# KiCad board usbc-car-module.kicad_pcb
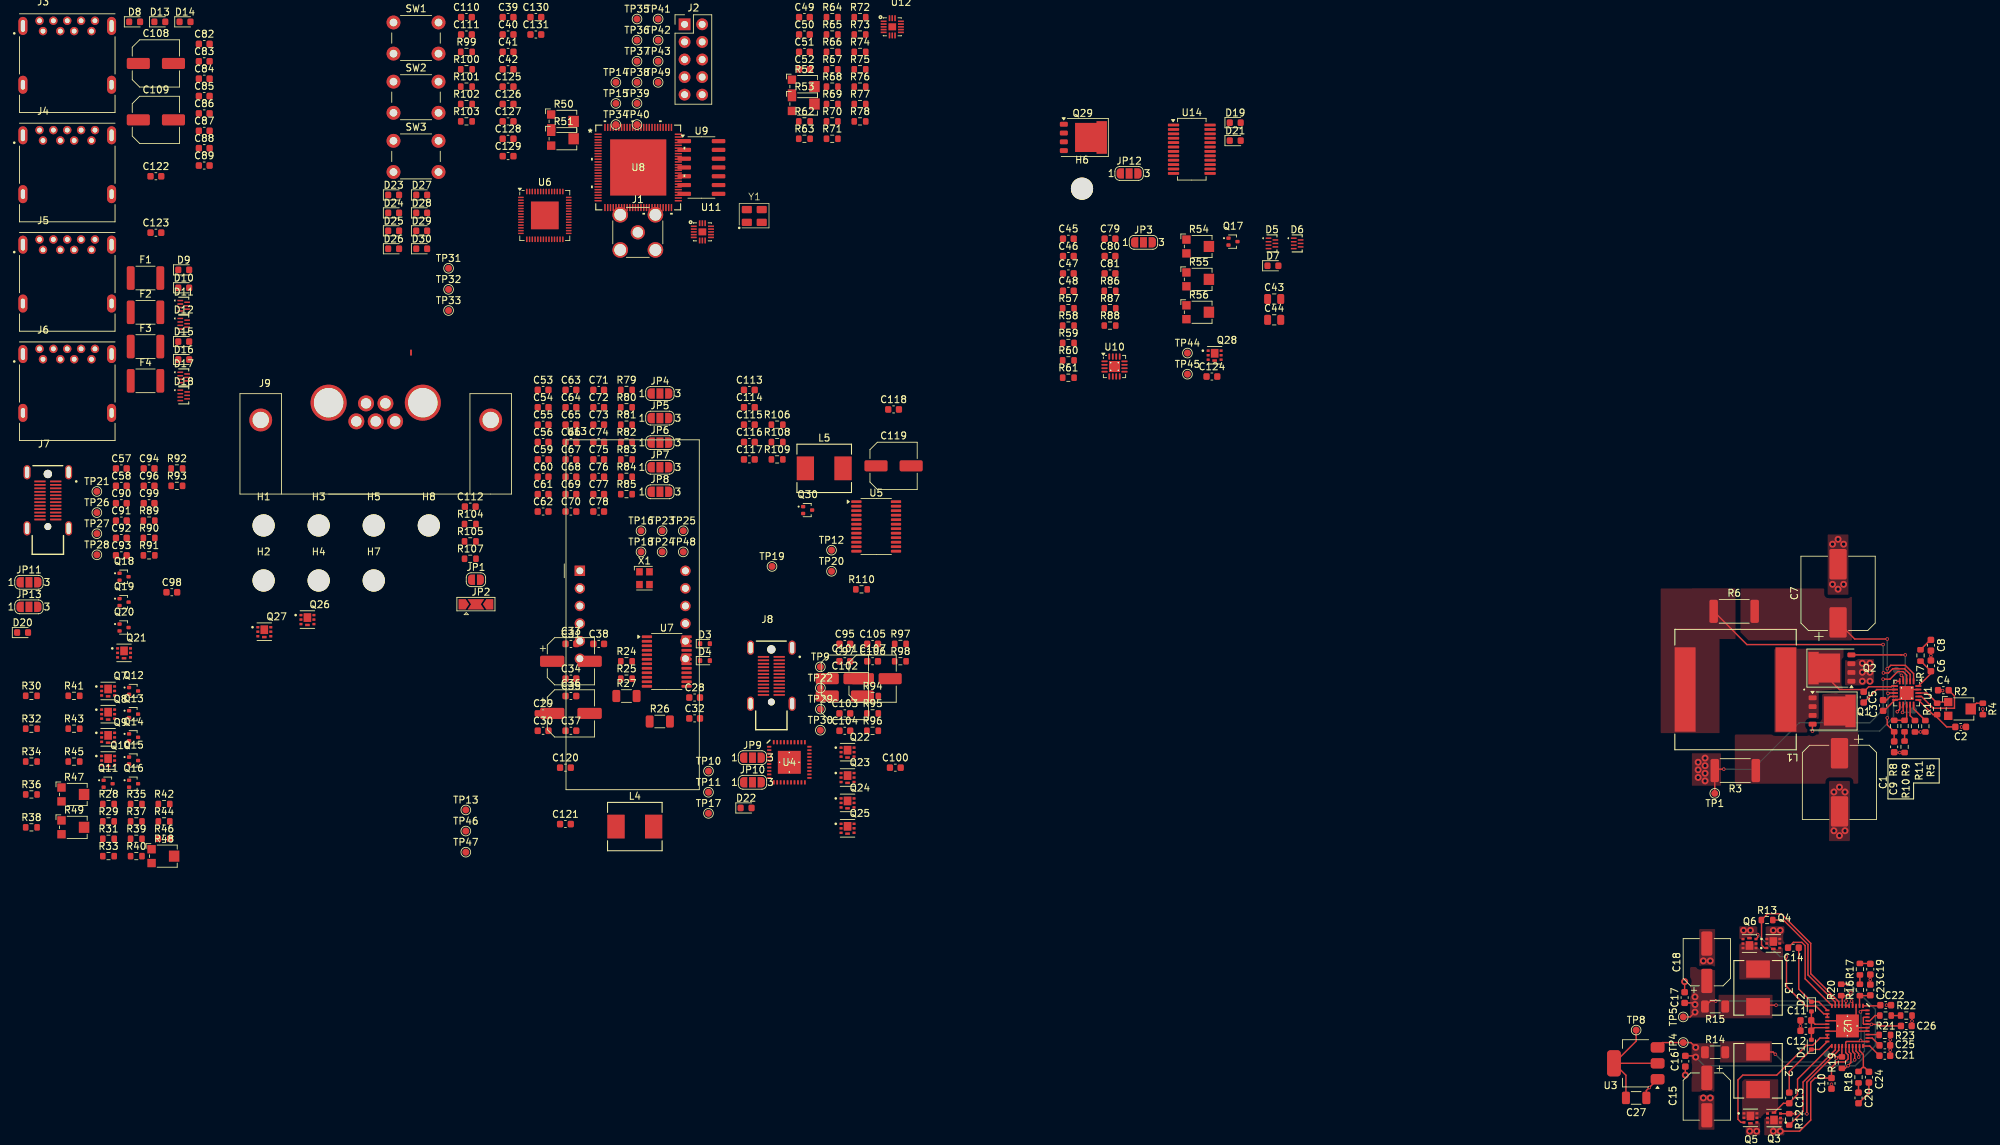
[diagram p0: board, top side]
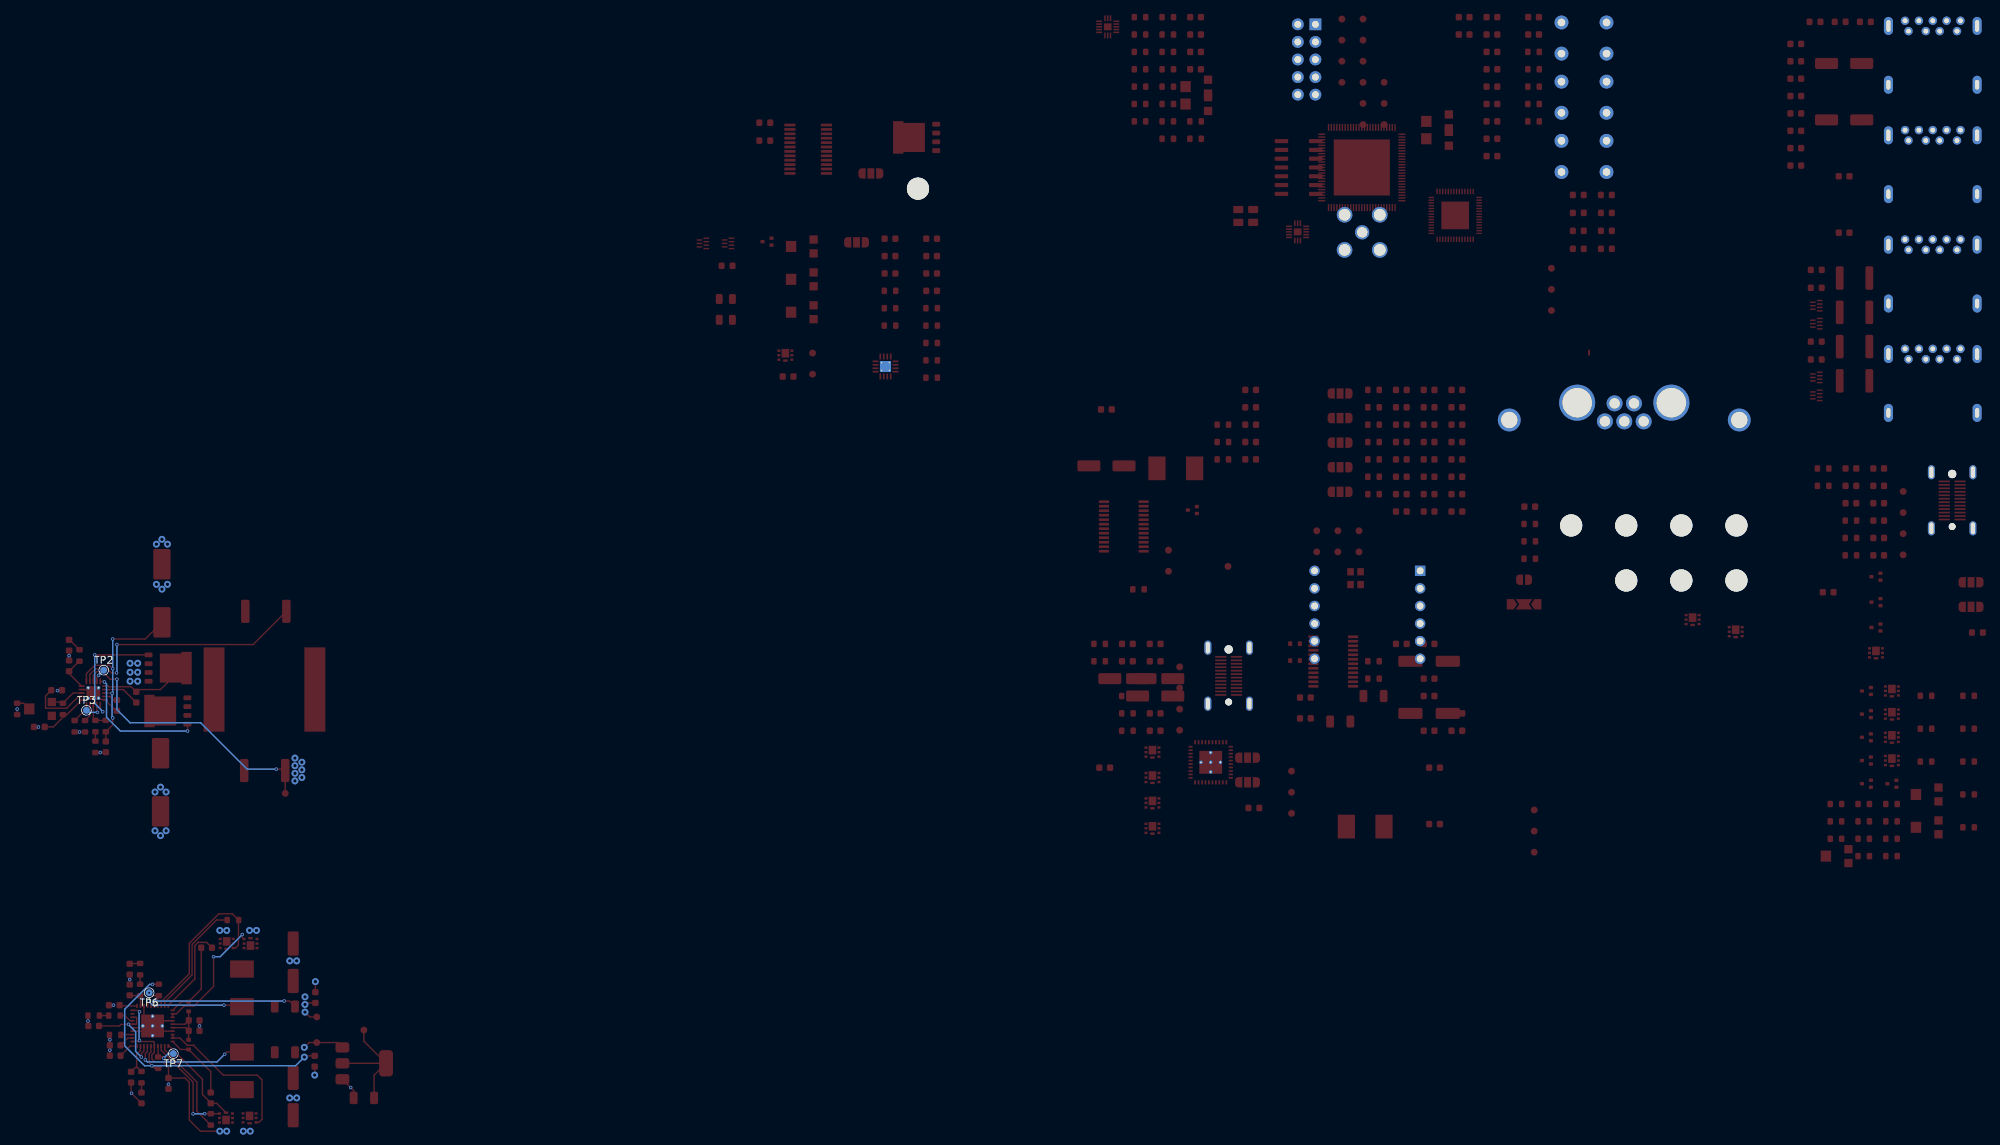
[diagram p1: board, bottom side, seen from below]

No outline. copper layers: Top, In1.Cu (plane), In2.Cu (plane), Bottom. Coordinates in mm from the lowest, leftmost part position.
Stack: Top 0.035mm / dielectric 0.2104mm FR4 er 4.5 / In1.Cu 0.0152mm / dielectric 1.065mm FR4 er 4.5 / In2.Cu 0.0152mm / dielectric 0.2104mm FR4 er 4.5 / Bottom 0.035mm

## Placement (name value [footprint] x y rotation side)
C1  EEEFK1V471SP 470uf  [CP_Elec_10x10.5]  262.27 48.7 270 top
C2  470pF  [C_0603_1608Metric]  279.77 56.7 0 top
C3  4.7uF  [C_0603_1608Metric]  268.57 59.8 270 top
C4  0.1uF  [C_0603_1608Metric]  277.27 62 0 top
C5  0.1uF  [C_0603_1608Metric]  265.77 61 90 top
C6  0.1uF  [C_0603_1608Metric]  275.47 65.52 90 top
C7  120uF  [CP_Elec_10x10.5]  262.07 76 90 top
C8  3uF3  [C_0603_1608Metric]  275.47 68.5 270 top
C9  470pF  [C_0603_1608Metric]  270.17 53.82 270 top
C10  50uF  [C_0603_1608Metric]  261.12 5.2 90 top
C11  2.2uF  [C_0603_1608Metric]  257.42 14.3 180 top
C12  2.2uF  [C_0603_1608Metric]  257.42 12.8 180 top
C13  0.1uF  [C_0603_1608Metric]  255.02 3.1 90 top
C14  0.1uF  [C_0603_1608Metric]  255.62 24.8 180 top
C15  100uF  [CP_Elec_6.3x7.7]  243.12 3.3 270 top
C16  4.7uF  [C_0603_1608Metric]  240.02 8.4 270 top
C17  4.7uF  [C_0603_1608Metric]  239.92 17.6 90 top
C18  100uF  [CP_Elec_6.3x7.7]  243.12 22.7 90 top
C19  4.7uF  [C_0603_1608Metric]  266.72 21.7 270 top
C20  27nF  [C_0603_1608Metric]  265.02 3.1 90 top
C21  1uF  [C_0603_1608Metric]  268.82 9.2 180 top
C22  1uF  [C_0603_1608Metric]  268.94 16.5 180 top
C23  18pF  [C_0603_1608Metric]  266.72 18.7 90 top
C24  150pF  [C_0603_1608Metric]  266.52 6.1 90 top
C25  470nF  [C_0603_1608Metric]  268.82 10.7 180 top
C26  470nF  [C_0603_1608Metric]  271.92 13.5 180 top
C27  150uF  [C_1206_3216Metric]  232.92 3.1 0 top
C28  50uF  [C_0603_1608Metric]  97.01 60.94 0 top
C29  2.2uF  [C_0603_1608Metric]  75.14 58.65 0 top
C30  2.2uF  [C_0603_1608Metric]  75.14 56.14 0 top
C31  0.1uF  [C_0603_1608Metric]  79.15 68.69 0 top
C32  0.1uF  [C_0603_1608Metric]  97.01 57.93 0 top
C33  100uF  [CP_Elec_6.3x7.7]  79.15 66.18 0 top
C34  4.7uF  [C_0603_1608Metric]  79.15 63.67 0 top
C35  4.7uF  [C_0603_1608Metric]  79.15 61.16 0 top
C36  100uF  [CP_Elec_6.3x7.7]  79.15 58.65 0 top
C37  4.7uF  [C_0603_1608Metric]  79.15 56.14 0 top
C38  4.7uF  [C_0603_1608Metric]  83.16 68.69 0 top
C39  1uF  [C_0603_1608Metric]  70.08 159.23 0 top
C40  1uF  [C_0603_1608Metric]  70.08 156.72 0 top
C41  18pF  [C_0603_1608Metric]  70.08 154.21 0 top
C42  18pF  [C_0603_1608Metric]  70.08 151.7 0 top
C43  470nF  [C_0805_2012Metric]  180.67 118.51 0 top
C44  470nF  [C_0805_2012Metric]  180.67 115.5 0 top
C45  0uF1  [C_0603_1608Metric]  150.96 127.22 0 top
C46  0uF1  [C_0603_1608Metric]  150.96 124.71 0 top
C47  0uF1  [C_0603_1608Metric]  150.96 122.2 0 top
C48  0uF1  [C_0603_1608Metric]  150.96 119.69 0 top
C49  0uF1  [C_0603_1608Metric]  112.86 159.23 0 top
C50  0uF1  [C_0603_1608Metric]  112.86 156.72 0 top
C51  10uF  [C_0603_1608Metric]  112.86 154.21 0 top
C52  10uF  [C_0603_1608Metric]  112.86 151.7 0 top
C53  10uF  [C_0603_1608Metric]  75.14 105.38 0 top
C54  10uF  [C_0603_1608Metric]  75.14 102.87 0 top
C55  10uF  [C_0603_1608Metric]  75.14 100.36 0 top
C56  10uF  [C_0603_1608Metric]  75.14 97.85 0 top
C57  10uF  [C_0603_1608Metric]  14.25 94.03 0 top
C58  0.1uF  [C_0603_1608Metric]  14.25 91.52 0 top
C59  10uF  [C_0603_1608Metric]  75.14 95.34 0 top
C60  0uF1  [C_0603_1608Metric]  75.14 92.83 0 top
C61  0uF1  [C_0603_1608Metric]  75.14 90.32 0 top
C62  0uF1  [C_0603_1608Metric]  75.14 87.81 0 top
C63  10uF  [C_0603_1608Metric]  79.15 105.38 0 top
C64  8pF2  [C_0603_1608Metric]  79.15 102.87 0 top
C65  8pF2  [C_0603_1608Metric]  79.15 100.36 0 top
C66  10uF  [C_0603_1608Metric]  79.15 97.85 0 top
C67  0.1uF  [C_0603_1608Metric]  79.15 95.34 0 top
C68  0uF1  [C_0603_1608Metric]  79.15 92.83 0 top
C69  0.1uF  [C_0603_1608Metric]  79.15 90.32 0 top
C70  0.1uF  [C_0603_1608Metric]  79.15 87.81 0 top
C71  10uF  [C_0603_1608Metric]  83.16 105.38 0 top
C72  1uF  [C_0603_1608Metric]  83.16 102.87 0 top
C73  10uF  [C_0603_1608Metric]  83.16 100.36 0 top
C74  0.1uF  [C_0603_1608Metric]  83.16 97.85 0 top
C75  0.1uF  [C_0603_1608Metric]  83.16 95.34 0 top
C76  0.1uF  [C_0603_1608Metric]  83.16 92.83 0 top
C77  0.1uF  [C_0603_1608Metric]  83.16 90.32 0 top
C78  0.1uF  [C_0603_1608Metric]  83.16 87.81 0 top
C79  0.1uF  [C_0603_1608Metric]  156.97 127.22 0 top
C80  0.1uF  [C_0603_1608Metric]  156.97 124.71 0 top
C81  0.1uF  [C_0603_1608Metric]  156.97 122.2 0 top
C82  0.1uF  [C_0603_1608Metric]  26.22 155.36 0 top
C83  0.1uF  [C_0603_1608Metric]  26.22 152.85 0 top
C84  10uF  [C_0603_1608Metric]  26.22 150.34 0 top
C85  10uF  [C_0603_1608Metric]  26.22 147.83 0 top
C86  0.1uF  [C_0603_1608Metric]  26.22 145.32 0 top
C87  0.1uF  [C_0603_1608Metric]  26.22 142.81 0 top
C88  0.1uF  [C_0603_1608Metric]  26.22 140.3 0 top
C89  0.1uF  [C_0603_1608Metric]  26.22 137.79 0 top
C90  0.1uF  [C_0603_1608Metric]  14.25 89.01 0 top
C91  0.1uF  [C_0603_1608Metric]  14.25 86.5 0 top
C92  0.1uF  [C_0603_1608Metric]  14.25 83.99 0 top
C93  0.1uF  [C_0603_1608Metric]  14.25 81.48 0 top
C94  0.1uF  [C_0603_1608Metric]  18.26 94.03 0 top
C95  10uF  [C_0603_1608Metric]  118.69 68.69 0 top
C96  10uF  [C_0603_1608Metric]  18.26 91.52 0 top
C97  0.1uF  [C_0603_1608Metric]  118.69 66.18 0 top
C98  0.1uF  [C_0603_1608Metric]  21.54 76.15 0 top
C99  0.1uF  [C_0603_1608Metric]  18.26 89.01 0 top
C100  0.1uF  [C_0603_1608Metric]  125.98 50.81 0 top
C101  33uF  [C_Elec_6.3x5.8]  118.69 63.67 0 top
C102  33uF  [C_Elec_6.3x5.8]  118.69 61.16 0 top
C103  0.1uF  [C_0603_1608Metric]  118.69 58.65 0 top
C104  0.1uF  [C_0603_1608Metric]  118.69 56.14 0 top
C105  0.1uF  [C_0603_1608Metric]  122.7 68.69 0 top
C106  0.1uF  [C_0603_1608Metric]  122.7 66.18 0 top
C107  33uF  [C_Elec_6.3x5.8]  122.7 63.67 0 top
C108  33uF  [C_Elec_6.3x5.8]  19.24 152.54 0 top
C109  33uF  [C_Elec_6.3x5.8]  19.24 144.39 0 top
C110  0.1uF  [C_0603_1608Metric]  64.07 159.23 0 top
C111  0.1uF  [C_0603_1608Metric]  64.07 156.72 0 top
C112  0.1uF  [C_0603_1608Metric]  64.62 88.52 0 top
C113  0.1uF  [C_0603_1608Metric]  104.91 105.38 0 top
C114  0.1uF  [C_0603_1608Metric]  104.91 102.87 0 top
C115  2.2uF  [C_0603_1608Metric]  104.91 100.36 0 top
C116  10uF  [C_0603_1608Metric]  104.91 97.85 0 top
C117  0.1uF  [C_0603_1608Metric]  104.91 95.34 0 top
C118  2.2uF  [C_0603_1608Metric]  125.73 102.56 0 top
C119  33uF  [C_Elec_6.3x5.8]  125.73 94.41 0 top
C120  0.1uF  [C_0603_1608Metric]  78.36 50.81 0 top
C121  0.1uF  [C_0603_1608Metric]  78.36 42.66 0 top
C122  0.1uF  [C_0603_1608Metric]  19.24 136.24 0 top
C123  0.1uF  [C_0603_1608Metric]  19.24 128.09 0 top
C124  0.1uF  [C_0603_1608Metric]  171.68 107.31 0 top
C125  2.2uF  [C_0603_1608Metric]  70.08 149.19 0 top
C126  10uF  [C_0603_1608Metric]  70.08 146.68 0 top
C127  0.1uF  [C_0603_1608Metric]  70.08 144.17 0 top
C128  2.2uF  [C_0603_1608Metric]  70.08 141.66 0 top
C129  10uF  [C_0603_1608Metric]  70.08 139.15 0 top
C130  0.1uF  [C_0603_1608Metric]  74.09 159.23 0 top
C131  0.1uF  [C_0603_1608Metric]  74.09 156.72 0 top
D1  D_Shockley  [D_SOD-523]  258.22 10.8 90 top
D2  D_Shockley  [D_SOD-523]  258.22 16.3 270 top
D3  D_Shockley  [D_SOD-523]  98.5 68.72 0 top
D4  D_Shockley  [D_SOD-523]  98.5 66.27 0 top
D5  PUSB3AB6Z  [PUSB3AB6Z_NEX]  180.35 126.54 0 top
D6  PUSB3AB6Z  [PUSB3AB6Z_NEX]  183.99 126.54 0 top
D7  D  [D_0603_1608Metric]  180.49 123.31 0 top
D8  D  [D_0603_1608Metric]  16.17 158.55 0 top
D9  uClamp0501H  [D_0603_1608Metric]  23.26 122.72 0 top
D10  uClamp0501H  [D_0603_1608Metric]  23.26 120.13 0 top
D11  PUSB3AB6Z  [PUSB3AB6Z_NEX]  23.26 117.54 0 top
D12  PUSB3AB6Z  [PUSB3AB6Z_NEX]  23.26 114.95 0 top
D13  D  [D_0603_1608Metric]  19.81 158.55 0 top
D14  D  [D_0603_1608Metric]  23.45 158.55 0 top
D15  uClamp0501H  [D_0603_1608Metric]  23.26 112.36 0 top
D16  uClamp0501H  [D_0603_1608Metric]  23.26 109.77 0 top
D17  PUSB3AB6Z  [PUSB3AB6Z_NEX]  23.26 107.18 0 top
D18  PUSB3AB6Z  [PUSB3AB6Z_NEX]  23.26 104.59 0 top
D19  W  [D_0603_1608Metric]  175.05 143.98 0 top
D20  10W  [D_0603_1608Metric]  0 70.33 0 top
D21  A  [D_0603_1608Metric]  175.05 141.39 0 top
D22  20W  [D_0603_1608Metric]  104.44 44.99 0 top
D23  V  [D_0603_1608Metric]  53.56 133.54 0 top
D24  40W  [D_0603_1608Metric]  53.56 130.95 0 top
D25  BACK USBC POWER  [D_0603_1608Metric]  53.56 128.36 0 top
D26  65W  [D_0603_1608Metric]  53.56 125.77 0 top
D27  FRONT USBC POWER  [D_0603_1608Metric]  57.61 133.54 0 top
D28  100W  [D_0603_1608Metric]  57.61 130.95 0 top
D29  USBA POWER  [D_0603_1608Metric]  57.61 128.36 0 top
D30  TOTAL SYSTEM POWER  [D_0603_1608Metric]  57.61 125.77 0 top
F1  2A  [Fuse_1812_4532Metric]  17.74 121.54 0 top
F2  2A  [Fuse_1812_4532Metric]  17.74 116.59 0 top
F3  2A  [Fuse_1812_4532Metric]  17.74 111.64 0 top
F4  2A  [Fuse_1812_4532Metric]  17.74 106.69 0 top
H1  MountingHole  [MountingHole_3.2mm_M3]  34.79 85.8 0 top
H2  MountingHole  [MountingHole_3.2mm_M3]  34.79 77.85 0 top
H3  MountingHole  [MountingHole_3.2mm_M3]  42.74 85.8 0 top
H4  MountingHole  [MountingHole_3.2mm_M3]  42.74 77.85 0 top
H5  MountingHole  [MountingHole_3.2mm_M3]  50.69 85.8 0 top
H6  MountingHole  [MountingHole_3.2mm_M3]  152.93 134.45 0 top
H7  MountingHole  [MountingHole_3.2mm_M3]  50.69 77.85 0 top
H8  MountingHole  [MountingHole_3.2mm_M3]  58.64 85.8 0 top
J1  Conn_Coaxial  [SMA_Amphenol_132291-12_Vertical]  88.81 128.14 0 top
J2  ~  [PinHeader_2x05_P2.54mm_Vertical]  95.56 158.19 0 top
J3  0483930003  [MOLEX_0483930003]  6.44 152.58 0 top
J4  0483930003  [MOLEX_0483930003]  6.44 136.78 0 top
J5  0483930003  [MOLEX_0483930003]  6.44 120.98 0 top
J6  0483930003  [MOLEX_0483930003]  6.44 105.18 0 top
J7  USB4200-03-A (VIRT FLAG MOUNTING)  [USB4200-03-A_REVA]  3.64 89.43 0 top
J8  USB4200-03-A (VIRT FLAG MOUNTING)  [USB4200-03-A_REVA]  108.08 64.09 0 top
J9  -  [684M7W2103L461]  50.97 100.83 0 top
JP1  ~  [SolderJumper-2_P1.3mm_Open_RoundedPad1.0x1.5mm]  65.44 77.96 0 top
JP2  ~  [SolderJumper-3_P2.0mm_Open_TrianglePad1.0x1.5mm]  65.44 74.41 0 top
JP3  ~  [SolderJumper-3_P1.3mm_Open_RoundedPad1.0x1.5mm_NumberLabels]  161.8 126.7 0 top
JP4  ~  [SolderJumper-3_P1.3mm_Open_RoundedPad1.0x1.5mm_NumberLabels]  92 104.86 0 top
JP5  ~  [SolderJumper-3_P1.3mm_Open_RoundedPad1.0x1.5mm_NumberLabels]  92 101.31 0 top
JP6  ~  [SolderJumper-3_P1.3mm_Open_RoundedPad1.0x1.5mm_NumberLabels]  92 97.76 0 top
JP7  ~  [SolderJumper-3_P1.3mm_Open_RoundedPad1.0x1.5mm_NumberLabels]  92 94.21 0 top
JP8  ~  [SolderJumper-3_P1.3mm_Open_RoundedPad1.0x1.5mm_NumberLabels]  92 90.66 0 top
JP9  ~  [SolderJumper-3_P1.3mm_Open_RoundedPad1.0x1.5mm_NumberLabels]  105.36 52.25 0 top
JP10  ~  [SolderJumper-3_P1.3mm_Open_RoundedPad1.0x1.5mm_NumberLabels]  105.36 48.7 0 top
JP11  ~  [SolderJumper-3_P1.3mm_Open_RoundedPad1.0x1.5mm_NumberLabels]  0.92 77.59 0 top
JP12  ~  [SolderJumper-3_P1.3mm_Open_RoundedPad1.0x1.5mm_NumberLabels]  159.73 136.65 0 top
JP13  ~  [SolderJumper-3_P1.3mm_Open_RoundedPad1.0x1.5mm_NumberLabels]  0.92 74.04 0 top
L1  IHLP6767GZER1R0M01  [IND-6767GZ_VIS]  247.27 62.09 180 top
L2  IHLP2525CZERR68M01  [IND25X25CZ]  250.52 7.02 270 top
L3  IHLP2525CZER1R0M11  [IND25X25CZ]  250.52 19 270 top
L4  IHLP2525CZER2R2M01  [IND25X25CZ]  88.38 42.3 0 top
L5  IHLP2525CZER2R2M01  [IND25X25CZ]  115.72 94.05 0 top
Q1  FDMS8820CT-ND  [PQFN-8-EP_6x5mm_P1.27mm_Generic]  261.12 59 0 top
Q2  FDMS8820CT-ND  [PQFN-8-EP_6x5mm_P1.27mm_Generic]  261.27 65.2 180 top
Q3  PMPB11EN,115  [TRANS_PMPB11EN_115]  252.82 0.2 180 top
Q4  PMPB11EN,115  [TRANS_PMPB11EN_115]  252.72 25.41 0 top
Q5  PMPB11EN,115  [TRANS_PMPB11EN_115]  249.42 0.22 0 top
Q6  PMPB11EN,115  [TRANS_PMPB11EN_115]  249.28 25.4 180 top
Q7  PMPB11EN,115  [TRANS_PMPB11EN_115]  12.34 61.89 0 top
Q8  PMPB11EN,115  [TRANS_PMPB11EN_115]  12.34 58.54 0 top
Q9  PMPB11EN,115  [TRANS_PMPB11EN_115]  12.34 55.19 0 top
Q10  PMPB11EN,115  [TRANS_PMPB11EN_115]  12.34 51.84 0 top
Q11  NTA7002NT1G  [SOT-416]  12.34 48.49 0 top
Q12  NTA7002NT1G  [SOT-416]  16.02 61.89 0 top
Q13  NTA7002NT1G  [SOT-416]  16.02 58.54 0 top
Q14  NTA7002NT1G  [SOT-416]  16.02 55.19 0 top
Q15  NTA7002NT1G  [SOT-416]  16.02 51.84 0 top
Q16  NTA7002NT1G  [SOT-416]  16.02 48.49 0 top
Q17  NTA7002NT1G  [SOT-416]  174.72 126.8 0 top
Q18  NTA7002NT1G  [SOT-416]  14.64 78.39 0 top
Q19  NTA7002NT1G  [SOT-416]  14.64 74.72 0 top
Q20  NTA7002NT1G  [SOT-416]  14.64 71.06 0 top
Q21  PMPB09R5VPX  [TRANS_PMPB11EN_115]  14.64 67.39 0 top
Q22  PMPB09R5VPX  [TRANS_PMPB11EN_115]  119.08 53.05 0 top
Q23  PMPB09R5VPX  [TRANS_PMPB11EN_115]  119.08 49.38 0 top
Q24  PMPB09R5VPX  [TRANS_PMPB11EN_115]  119.08 45.72 0 top
Q25  PMPB09R5VPX  [TRANS_PMPB11EN_115]  119.08 42.05 0 top
Q26  PMPB09R5VPX  [TRANS_PMPB11EN_115]  41.11 72.2 0 top
Q27  PMPB09R5VPX  [TRANS_PMPB11EN_115]  34.89 70.45 0 top
Q28  PMPB09R5VPX  [TRANS_PMPB11EN_115]  172.07 110.39 0 top
Q29  AON7421  [PQFN-8-EP_6x5mm_P1.27mm_Generic]  153.03 141.85 0 top
Q30  NTA7002NT1G  [SOT-416]  113.32 88.02 0 top
R1  20K  [R_0603_1608Metric]  276.37 59.3 90 top
R2  1K  [Potentiometer_Bourns_TC33X_Vertical]  279.77 59.3 0 top
R3  1.5mR  [R_2512_6332Metric]  247.23 50.4 180 top
R4  10K  [R_0603_1608Metric]  282.97 59.3 270 top
R5  10K  [R_0603_1608Metric]  274.67 56.8 90 top
R6  1.5mR  [R_2512_6332Metric]  247.07 73.4 0 top
R7  35K  [R_0603_1608Metric]  273.97 67.02 90 top
R8  100K  [R_0603_1608Metric]  270.17 56.82 90 top
R9  10K  [R_0603_1608Metric]  271.67 56.82 270 top
R10  10K  [R_0603_1608Metric]  271.67 53.82 270 top
R11  0R  [R_0603_1608Metric]  273.17 56.8 270 top
R12  RHO1  [R_0603_1608Metric]  255.02 0 270 top  (not fitted)
R13  RHO2  [R_0603_1608Metric]  251.82 28.8 180 top  (not fitted)
R14  10mR  [R_1206_3216Metric]  244.32 9.7 0 top
R15  10mR  [R_1206_3216Metric]  244.32 16.3 180 top
R16  1K  [R_0603_1608Metric]  265.22 18.7 90 top
R17  470R  [R_0603_1608Metric]  265.22 21.7 90 top
R18  1K  [R_0603_1608Metric]  265.02 6.1 90 top
R19  100K  [R_0603_1608Metric]  262.62 8.2 90 top
R20  100K  [R_0603_1608Metric]  262.52 18.7 90 top
R21  10K  [R_0603_1608Metric]  268.92 15 0 top
R22  470R  [R_0603_1608Metric]  271.92 15 0 top
R23  0R  [R_0603_1608Metric]  268.82 12.2 0 top
R24  RHO1  [R_0603_1608Metric]  87.17 66.18 0 top  (not fitted)
R25  RHO2  [R_0603_1608Metric]  87.17 63.67 0 top  (not fitted)
R26  10mR  [R_1206_3216Metric]  91.98 57.48 0 top
R27  10mR  [R_1206_3216Metric]  87.17 61.16 0 top
R28  5.9K  [R_0603_1608Metric]  12.4 45.56 0 top
R29  5.9K  [R_0603_1608Metric]  12.4 43.05 0 top
R30  100K  [R_0603_1608Metric]  1.27 61.19 0 top
R31  100K  [R_0603_1608Metric]  12.4 40.54 0 top
R32  10K  [R_0603_1608Metric]  1.27 56.44 0 top
R33  470R  [R_0603_1608Metric]  12.4 38.03 0 top
R34  0R  [R_0603_1608Metric]  1.27 51.69 0 top  (not fitted)
R35  10K  [R_0603_1608Metric]  16.41 45.56 0 top
R36  10K  [R_0603_1608Metric]  1.27 46.94 0 top
R37  30K  [R_0603_1608Metric]  16.41 43.05 0 top
R38  22K  [R_0603_1608Metric]  1.27 42.19 0 top
R39  10K  [R_0603_1608Metric]  16.41 40.54 0 top
R40  10K  [R_0603_1608Metric]  16.41 38.03 0 top
R41  5K  [R_0603_1608Metric]  7.42 61.19 0 top
R42  30K  [R_0603_1608Metric]  20.42 45.56 0 top
R43  22K  [R_0603_1608Metric]  7.42 56.44 0 top
R44  10K  [R_0603_1608Metric]  20.42 43.05 0 top
R45  10K  [R_0603_1608Metric]  7.42 51.69 0 top
R46  5K  [R_0603_1608Metric]  20.42 40.54 0 top
R47  10K  [Potentiometer_Bourns_TC33X_Vertical]  7.42 46.94 0 top
R48  10K  [Potentiometer_Bourns_TC33X_Vertical]  20.42 38.03 0 top
R49  10K  [Potentiometer_Bourns_TC33X_Vertical]  7.42 42.19 0 top
R50  10K  [Potentiometer_Bourns_TC33X_Vertical]  78.1 144.17 0 top
R51  10K  [Potentiometer_Bourns_TC33X_Vertical]  78.1 141.66 0 top
R52  10K  [Potentiometer_Bourns_TC33X_Vertical]  112.86 149.19 0 top
R53  10K  [Potentiometer_Bourns_TC33X_Vertical]  112.86 146.68 0 top
R54  10K  [Potentiometer_Bourns_TC33X_Vertical]  169.8 126.1 0 top
R55  10K  [Potentiometer_Bourns_TC33X_Vertical]  169.8 121.35 0 top
R56  10K  [Potentiometer_Bourns_TC33X_Vertical]  169.8 116.6 0 top
R57  10K  [R_0603_1608Metric]  150.96 117.18 0 top
R58  10K  [R_0603_1608Metric]  150.96 114.67 0 top
R59  10K  [R_0603_1608Metric]  150.96 112.16 0 top
R60  10K  [R_0603_1608Metric]  150.96 109.65 0 top
R61  10K  [R_0603_1608Metric]  150.96 107.14 0 top
R62  60R4  [R_0603_1608Metric]  112.86 144.17 0 top
R63  10K  [R_0603_1608Metric]  112.86 141.66 0 top
R64  60R4  [R_0603_1608Metric]  116.87 159.23 0 top
R65  10K  [R_0603_1608Metric]  116.87 156.72 0 top
R66  10K  [R_0603_1608Metric]  116.87 154.21 0 top
R67  10K  [R_0603_1608Metric]  116.87 151.7 0 top
R68  10K  [R_0603_1608Metric]  116.87 149.19 0 top
R69  10K  [R_0603_1608Metric]  116.87 146.68 0 top
R70  10K  [R_0603_1608Metric]  116.87 144.17 0 top
R71  10K  [R_0603_1608Metric]  116.87 141.66 0 top
R72  10K  [R_0603_1608Metric]  120.88 159.23 0 top
R73  0R  [R_0603_1608Metric]  120.88 156.72 0 top
R74  1K  [R_0603_1608Metric]  120.88 154.21 0 top
R75  1K  [R_0603_1608Metric]  120.88 151.7 0 top
R76  5K  [R_0603_1608Metric]  120.88 149.19 0 top
R77  5K  [R_0603_1608Metric]  120.88 146.68 0 top
R78  1K  [R_0603_1608Metric]  120.88 144.17 0 top
R79  1K  [R_0603_1608Metric]  87.17 105.38 0 top
R80  1K  [R_0603_1608Metric]  87.17 102.87 0 top
R81  1K  [R_0603_1608Metric]  87.17 100.36 0 top
R82  10K  [R_0603_1608Metric]  87.17 97.85 0 top
R83  1K  [R_0603_1608Metric]  87.17 95.34 0 top
R84  10K  [R_0603_1608Metric]  87.17 92.83 0 top
R85  12K 1%  [R_0603_1608Metric]  87.17 90.32 0 top
R86  100K  [R_0603_1608Metric]  156.97 119.69 0 top
R87  100K  [R_0603_1608Metric]  156.97 117.18 0 top
R88  100K  [R_0603_1608Metric]  156.97 114.67 0 top
R89  100K  [R_0603_1608Metric]  18.26 86.5 0 top
R90  10R  [R_0603_1608Metric]  18.26 83.99 0 top
R91  10K  [R_0603_1608Metric]  18.26 81.48 0 top
R92  15R  [R_0603_1608Metric]  22.27 94.03 0 top
R93  10K  [R_0603_1608Metric]  22.27 91.52 0 top
R94  10K  [R_0603_1608Metric]  122.7 61.16 0 top
R95  10K  [R_0603_1608Metric]  122.7 58.65 0 top
R96  15R  [R_0603_1608Metric]  122.7 56.14 0 top
R97  10K  [R_0603_1608Metric]  126.71 68.69 0 top
R98  15R  [R_0603_1608Metric]  126.71 66.18 0 top
R99  10K  [R_0603_1608Metric]  64.07 154.21 0 top
R100  10K  [R_0603_1608Metric]  64.07 151.7 0 top
R101  10K  [R_0603_1608Metric]  64.07 149.19 0 top
R102  15R  [R_0603_1608Metric]  64.07 146.68 0 top
R103  10K  [R_0603_1608Metric]  64.07 144.17 0 top
R104  10K  [R_0603_1608Metric]  64.62 86.01 0 top
R105  10K  [R_0603_1608Metric]  64.62 83.5 0 top
R106  10K  [R_0603_1608Metric]  108.92 100.36 0 top
R107  10K  [R_0603_1608Metric]  64.62 80.99 0 top
R108  100K  [R_0603_1608Metric]  108.92 97.85 0 top
R109  100K  [R_0603_1608Metric]  108.92 95.34 0 top
R110  330R  [R_0603_1608Metric]  121.1 76.57 0 top
SW1  SW_Push  [SW_PUSH_6mm]  53.54 158.46 0 top
SW2  SW_Push  [SW_PUSH_6mm]  53.54 149.91 0 top
SW3  SW_Push  [SW_PUSH_6mm]  53.54 141.36 0 top
TP1  TestPoint  [TestPoint_Pad_D1.0mm]  244.27 47.09 180 top
TP2  TestPoint  [TestPoint_Pad_D1.0mm]  270.47 64.9 180 bottom
TP3  TestPoint  [TestPoint_Pad_D1.0mm]  272.97 59.09 180 bottom
TP4  TestPoint  [TestPoint_Pad_D1.0mm]  239.72 11.1 90 top
TP5  TestPoint  [TestPoint_Pad_D1.0mm]  239.72 14.8 90 top
TP6  TestPoint  [TestPoint_Pad_D1.0mm]  263.92 18.3 0 bottom
TP7  TestPoint  [TestPoint_Pad_D1.0mm]  260.42 9.5 0 bottom
TP8  TestPoint  [TestPoint_Pad_D1.0mm]  232.92 12.9 0 top
TP9  TestPoint  [TestPoint_Pad_D1.0mm]  115.16 65.37 0 top
TP10  TestPoint  [TestPoint_Pad_D1.0mm]  99.01 50.31 0 top
TP11  TestPoint  [TestPoint_Pad_D1.0mm]  99.01 47.26 0 top
TP12  TestPoint  [TestPoint_Pad_D1.0mm]  116.77 82.23 0 top
TP13  ~  [TestPoint_Pad_D1.0mm]  63.98 44.7 0 top
TP14  ~  [TestPoint_Pad_D1.0mm]  85.64 149.81 0 top
TP15  ~  [TestPoint_Pad_D1.0mm]  85.64 146.76 0 top
TP16  ~  [TestPoint_Pad_D1.0mm]  89.27 85.03 0 top
TP17  ~  [TestPoint_Pad_D1.0mm]  99.01 44.21 0 top
TP18  ~  [TestPoint_Pad_D1.0mm]  89.27 81.98 0 top
TP19  ~  [TestPoint_Pad_D1.0mm]  108.18 79.88 0 top
TP20  ~  [TestPoint_Pad_D1.0mm]  116.77 79.18 0 top
TP21  ~  [TestPoint_Pad_D1.0mm]  10.72 90.71 0 top
TP22  ~  [TestPoint_Pad_D1.0mm]  115.16 62.32 0 top
TP23  ~  [TestPoint_Pad_D1.0mm]  92.32 85.03 0 top
TP24  ~  [TestPoint_Pad_D1.0mm]  92.32 81.98 0 top
TP25  ~  [TestPoint_Pad_D1.0mm]  95.37 85.03 0 top
TP26  ~  [TestPoint_Pad_D1.0mm]  10.72 87.66 0 top
TP27  ~  [TestPoint_Pad_D1.0mm]  10.72 84.61 0 top
TP28  ~  [TestPoint_Pad_D1.0mm]  10.72 81.56 0 top
TP29  ~  [TestPoint_Pad_D1.0mm]  115.16 59.27 0 top
TP30  TestPoint  [TestPoint_Pad_D1.0mm]  115.16 56.22 0 top
TP31  TestPoint  [TestPoint_Pad_D1.0mm]  61.49 122.95 0 top
TP32  TestPoint  [TestPoint_Pad_D1.0mm]  61.49 119.9 0 top
TP33  TestPoint  [TestPoint_Pad_D1.0mm]  61.49 116.85 0 top
TP34  TestPoint  [TestPoint_Pad_D1.0mm]  85.64 143.71 0 top
TP35  TestPoint  [TestPoint_Pad_D1.0mm]  88.69 158.96 0 top
TP36  TestPoint  [TestPoint_Pad_D1.0mm]  88.69 155.91 0 top
TP37  TestPoint  [TestPoint_Pad_D1.0mm]  88.69 152.86 0 top